# Altium PCB board_ordered.PcbDoc (part 2 of 2)
Units mm, origin at the board's own origin, x right, y up, seen from the top; angles counter-clockwise.
Board outline 57 x 77.5 mm, 4 copper layers (Top Layer, Mid Layer 1, Mid Layer 2, Bottom Layer), stack 1.57 mm thick; 165 components, 142 nets, 711 pads, 299 vias.
Unrouted connection lines stored in the file: 1.
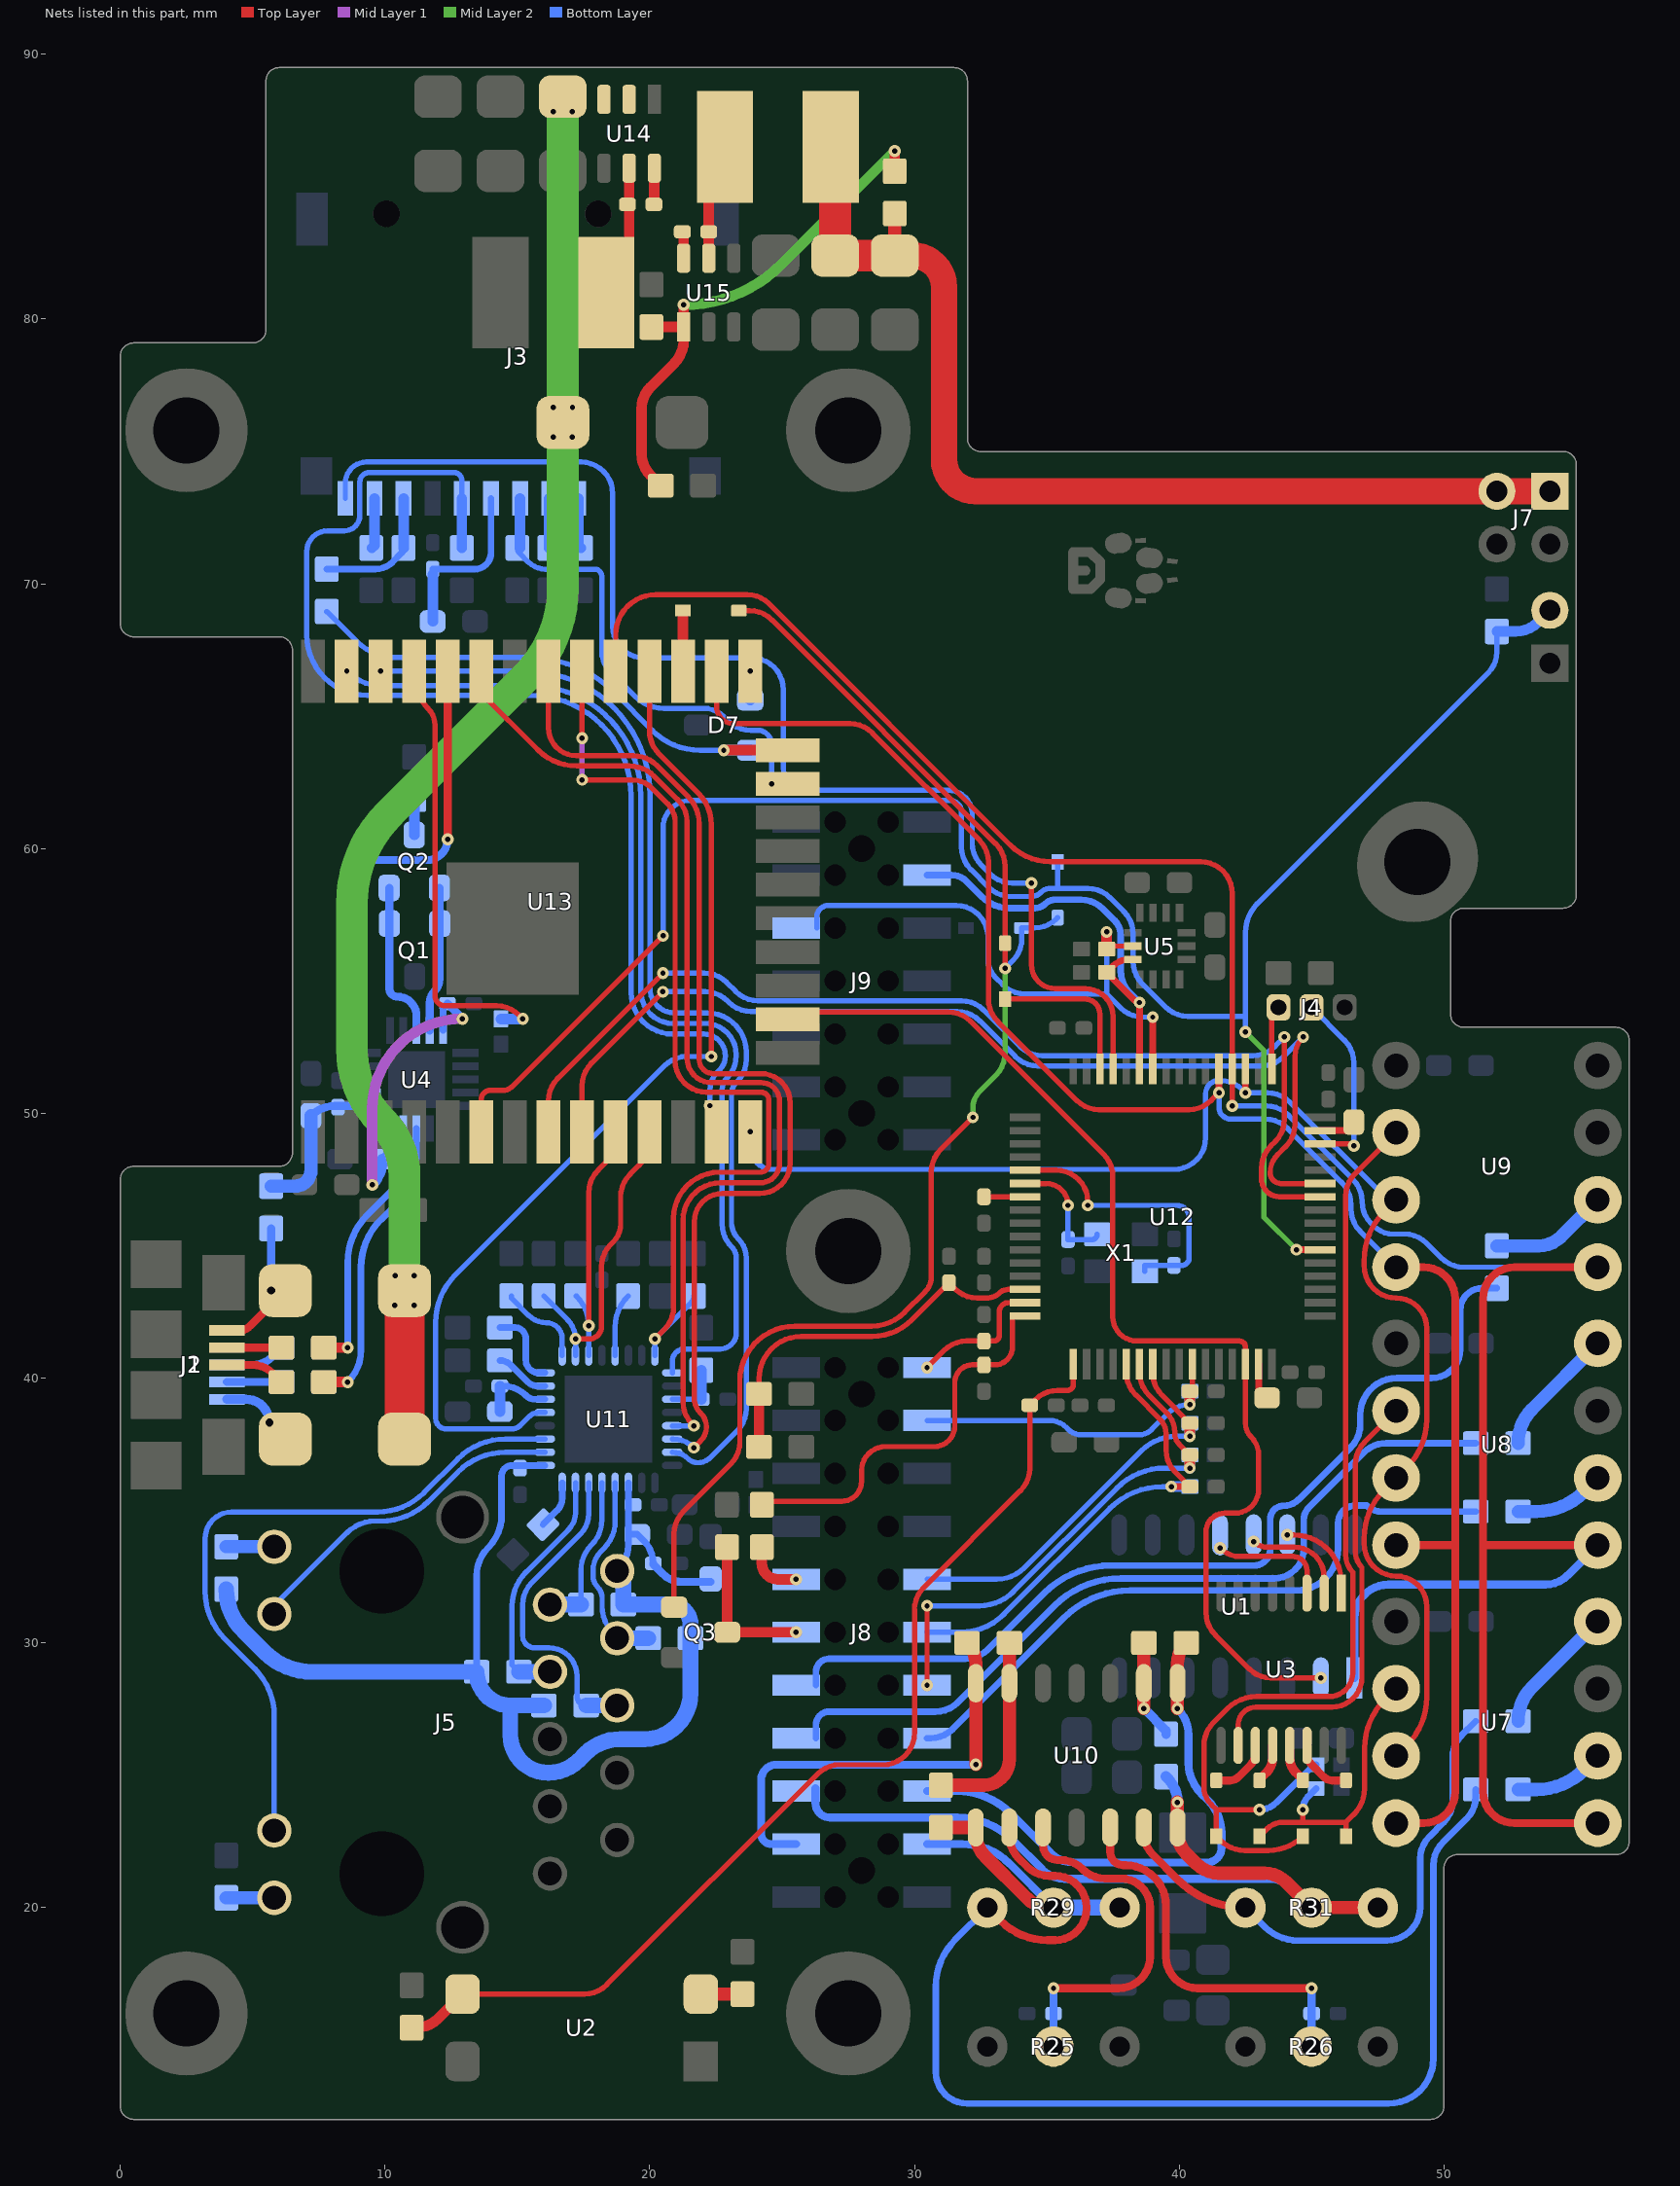
[diagram p4: the nets of this part, all layers, seen from the top]

## Via types
v1: diameter 0.45, hole 0.2, Top Layer to Bottom Layer, tented both sides, 205 vias
v2: diameter 0.6, hole 0.3, Top Layer to Bottom Layer, tented both sides, 94 vias

## Nets (pads, with @x,y where several pads share a name; then routed paths per layer and width w, separated by ;. In a path a pad name is that pad's centre, name@x,y a point inside that pad or via, vN(x,y) a via of type N, cw(c..) or ccw(c..) an arc to the next point about the centre after c; other vN are vias at no path point) (continued)
LP_COUNT: U1.2 U12.30 U13.16 | length 43.3
  Top Layer w0.2: U13.16@25.215,53.555 25.215,53.825 31.275,53.825 cw(c31.275,52.631) 32.118,53.476 ; 32.119,53.475 37.141,48.454 ; 37.142,48.453 cw(c36.297,47.609) 37.49,47.609 37.49,42.316 ccw(c38.405,42.316) 38.405,41.402 42.27,41.402 cw(c42.27,41.173) 42.499,41.173 U12.30@42.499,40.525 ; 41.358,30.304 42.661,29.002 ccw(c43.445,29.786) 43.445,28.677 v1(45.35,28.677) ; 41.358,30.305 cw(c42.203,31.148) 41.009,31.148 41.009,34.188 cw(c41.721,34.188) 41.721,34.9 42.1,34.9 ccw(c42.1,35.8) 43,35.8 43,37.076 ccw(c41.976,37.076) 42.7,37.8 cw(c43.184,38.284) 42.5,38.284 U12.30@42.499,40.525
LP_DAT: U7.4 U8.4 U9.4 U12.53 U13.26 | length 68.2
  Top Layer w0.2: U13.26@22.525,66.7 22.525,65.37 ccw(c23.176,65.37) 23.176,64.719 27.56,64.719 cw(c27.56,63.525) 28.404,64.37 ; 28.405,64.369 32.441,60.333 ; 32.442,60.332 cw(c31.597,59.489) 32.791,59.489 32.791,54.318 ccw(c33.984,54.318) 33.139,53.475 36.123,50.491 ; 36.124,50.49 ccw(c36.967,51.335) 36.967,50.141 40.367,50.141 ccw(c40.367,51.335) 41.211,50.49 ; 41.211,50.491 v1(41.5,50.779)
  Top Layer w0.25: v1(41.5,50.779) U12.53@41.5,51.675
  Top Layer w0.3: U7.4@48.19,23.19 49.232,23.19 ccw(c49.232,24.384) 50.426,24.384 50.426,33.69 50.421,33.69 ; U8.4@48.19,33.69 50.421,33.69 ; U9.4@48.19,44.19 49.227,44.19 cw(c49.227,42.996) 50.421,42.996 50.421,33.69
  Bottom Layer w0.2: v1(41.5,50.779) 41.5,50.234 ccw(c41.949,50.234) 41.949,49.784 43.247,49.784 cw(c43.247,48.59) 44.09,49.435 ; 44.091,49.434 46.135,47.391 ; 46.135,47.39 cw(c45.29,46.547) 46.484,46.547 46.484,46.39 ccw(c47.678,46.39) 46.833,45.547 ; 46.834,45.546 U9.4@48.19,44.19
LP_LDAC: U1.1 U7.5 U8.5 U9.5 U12.52 U13.29 | length 100.6
  Top Layer w0.2: U13.29@18.715,66.7 18.715,68.074 cw(c20.237,68.074) 20.237,69.596 23.661,69.596 cw(c23.661,68.402) 24.504,69.247 ; 24.505,69.246 33.625,60.126 ccw(c35.131,61.632) 35.131,59.503 40.805,59.503 cw(c40.805,58.309) 41.999,58.309 U12.52@41.999,51.675 v1(41.999,50.28)
  Top Layer w0.3: U7.5@55.81,23.19 52.668,23.19 cw(c52.668,24.384) 51.474,24.384 51.474,33.69 ; U8.5@55.81,33.69 51.474,33.69 ; U9.5@55.81,44.19 52.668,44.19 ccw(c52.668,42.996) 51.474,42.996 51.474,33.69
  Bottom Layer w0.2: v1(41.999,50.28) 43.289,50.28 cw(c43.289,49.086) 44.132,49.931 ; 44.133,49.93 46.562,47.501 cw(c45.731,46.67) 46.907,46.67 ccw(c48.082,46.67) 47.251,45.839 47.334,45.755 ccw(c48.093,46.514) 48.093,45.441 48.502,45.441 cw(c48.502,44.247) 49.345,45.092 ; 49.346,45.091 49.898,44.54 ; 49.898,44.539 ccw(c50.742,45.384) 50.742,44.19 U9.5@55.81,44.19
  Bottom Layer w0.3: U1.1@46.62,28.677 46.62,30.92 cw(c47.9,30.92) 47.9,32.2 53.826,32.2 ccw(c53.826,33.394) 54.67,32.55 U8.5@55.81,33.69
LP_SCK: U7.3 U8.3 U9.3 U12.51 U13.14 | length 56.5
  Top Layer w0.2: U7.3@48.19,25.73 48.607,26.147 ccw(c46.811,27.943) 49.351,27.943 49.351,31.372 ccw(c48.201,31.372) 48.201,32.521 cw(c48.201,33.732) 46.99,33.732 46.99,33.978 cw(c49.53,33.978) 47.734,35.774 U8.3@48.19,36.23 48.607,36.647 ccw(c46.811,38.443) 49.351,38.443 49.351,41.872 ccw(c48.201,41.872) 48.201,43.021 cw(c48.201,44.232) 46.99,44.232 46.99,44.478 cw(c49.53,44.478) 47.734,46.274 U9.3@48.19,46.73 U9.3@48.607,47.147
  Top Layer w0.25: v1(42.5,50.779) U12.51@42.499,51.675
  Bottom Layer w0.2: v1(23.795,49.3) 23.795,48.743 ccw(c24.654,48.743) 24.654,47.883 39.802,47.883 ccw(c39.802,49.077) 40.996,49.077 40.996,50.739 cw(c41.5,50.739) 41.5,51.243 41.542,51.243 cw(c41.542,50.049) 42.385,50.894 v1(42.5,50.779) 43.326,50.779 cw(c43.326,49.585) 44.171,50.429 47.644,46.956 ccw(c48.19,47.503) U9.3@48.19,46.73
LSR_EN: J8.12 Q3.3 R62.1 | length 5.8
  Top Layer w0.4: R62.1@22.919,33.615 Q3.3@22.919,30.4 v1(25.525,30.4)
MDC: U11.17 U13.37 | length 40.2
  Bottom Layer w0.2: v1@8.555,66.699 ccw(c9.883,68.028) 9.883,66.15 15.505,66.15 cw(c15.505,61.995) 19.661,61.995 19.661,54.624 ccw(c20.889,54.624) 20.889,53.395 22.085,53.395 cw(c22.085,52.214) 23.266,52.214 23.266,52.183 cw(c22.072,52.183) 22.917,51.339 22.911,51.333 ccw(c23.34,50.904) 22.733,50.904 22.733,45.812 ccw(c23.927,45.812) 22.908,45.189 ccw(c23.927,45.812) 23.083,44.968 23.091,44.959 cw(c22.668,44.536) 23.266,44.536 23.266,41.707 cw(c22.657,41.707) 22.657,41.097 21.311,41.097 ccw(c21.311,40.637) 20.85,40.637 U11.17@20.85,40.2
  other v1: 8.555,66.7
MDIO: R45.1 U11.16 U13.30 | length 36.6
  Top Layer w0.2: v1(17.445,62.597) 19.309,62.597 cw(c19.309,61.474) 20.102,62.269 20.671,61.7 cw(c19.983,61.011) 20.956,61.011 20.956,51.994 ccw(c22.15,51.994) 22.15,50.8 24.2,50.8 cw(c24.2,50.5) 24.5,50.5 24.5,48.112 cw(c24.163,48.112) 24.163,47.774 22.632,47.774 ccw(c22.632,46.043) 20.9,46.043 20.9,42.683 cw(c19.706,42.683) 20.551,41.839 ; v1(17.445,64.174) U13.30@17.445,66.7 ; v1(20.192,41.481) 20.55,41.839
  Mid Layer 1 w0.2: v1(17.445,62.597) v1(17.445,64.174)
  Bottom Layer w0.2: U11.16@20.192,40.858 v1(20.192,41.481) 21.56,42.848 ccw(c21.307,43.102) R45.1@21.665,43.102
NetC4_2: C4.2 C6.2 R13.2 U4.11 U4.12 | length 6.6
  Bottom Layer w0.3: C6.2@7.202,49.907 cw(c8.107,49.002) 8.107,50.282 U4.11@9.338,50.282 ; U4.11@8.987,50.282 U4.12@8.987,50.782
  Bottom Layer w0.5: R13.2@5.7,47.25 6.601,47.25 ccw(c6.601,47.851) 7.202,47.851 C6.2@7.202,49.907
NetC10_2: C10.2 C15.2 U4.10 U4.20 | length 12.5
  Mid Layer 1 w0.4: v1(9.515,47.3) 9.515,50.161 cw(c12.926,50.161) v1(12.926,53.572)
  Bottom Layer w0.25: U4.20@12.188,53.132 12.188,53.976 C15.2@12.355,54.143
  Bottom Layer w0.3: C10.2@9.896,48.269 10.188,48.56 U4.10@10.188,49.432 ; C15.2@12.355,54.143 v1(12.926,53.572)
  Bottom Layer w0.4: v1(9.515,47.3) ccw(c8.596,48.22) 9.896,48.22 C10.2@9.896,48.269
NetC20_2: C20.2 J3.4 L1.2 | length 6.4
  Bottom Layer w0.25: C20.2@11.801,70.554 13.387,70.554 ccw(c13.387,71.167) 14.001,71.167 J3.4@14.001,73.224
  Bottom Layer w0.4: L1.2@11.801,68.58 C20.2@11.801,70.354
NetC23_2: C23.2 R25.2 U10.3 | length 14.2
  Top Layer w0.3: U10.3@34.854,23.025 34.854,22.346 ccw(c35.4,22.346) 34.983,21.994 ccw(c35.4,22.346) 35.4,21.8 35.506,21.8 cw(c35.506,20.606) 36.35,21.45 ; v1(35.25,16.955) 37.706,16.955 ccw(c37.706,18.149) 38.9,18.149 38.9,20 ccw(c37.8,20) 37.8,21.1 37.194,21.1 cw(c37.194,22.294) 36.351,21.449
  Bottom Layer w0.3: R25.2@35.25,14.75 C23.2@35.25,16 v1(35.25,16.955)
NetC24_2: C24.2 R26.2 U10.5 | length 14.5
  Top Layer w0.3: U10.5@37.394,23.025 37.394,22.106 ccw(c37.9,22.106) 37.9,21.6 37.972,21.6 cw(c37.972,20.072) 39.5,20.072 39.5,18.149 ccw(c40.694,18.149) 40.694,16.955 42.827,16.955 v1(45,16.955)
  Bottom Layer w0.3: R26.2@45,14.75 C24.2@45,16 v1(45,16.955)
NetC25_2: C25.2 U12.5 X1.1 | length 10.9
  Top Layer w0.2: U12.5@34.174,47.85 35.355,47.85 cw(c35.355,46.656) 36.549,46.656 v1(36.549,46.525)
  Bottom Layer w0.2: v1(36.549,46.525) 39.9,46.525 cw(c39.9,46.05) 40.375,46.05 40.375,44.546 cw(c40.088,44.546) 40.088,44.259 C25.2@39.8,44.259 38.7,44.259 X1.1@38.7,44.034
NetC26_2: C26.2 U12.6 X1.3 | length 4.6
  Top Layer w0.2: U12.6@34.174,47.35 34.974,47.35 cw(c34.974,46.525) v1(35.799,46.525)
  Bottom Layer w0.2: v1(35.799,46.525) 35.8,46.525 C26.2@35.8,45.234 36.7,45.234 ccw(c36.7,45.434) X1.3@36.9,45.434
NetC27_2: C27.2 U12.7 | length 1.5
  Top Layer w0.2: C27.2@32.624,46.85 U12.7@34.174,46.85
NetC37_2: C37.2 R52.2 U11.19 | length 2.2
  Bottom Layer w0.2: U11.19@20.85,39.2 C37.2@21.946,39.2
  Bottom Layer w0.4: C37.2@21.946,39.2 R52.2@21.946,40.3
NetC38_2: C38.2 U12.47 | length 1.6
  Top Layer w0.25: U12.47@45.325,49.35 46.593,49.35 C38.2@46.593,49.667
NetC40_2: C40.2 C43.2 U11.6 | length 2.8
  Bottom Layer w0.25: C43.2@14.338,39.7 14.458,39.7 cw(c14.458,38.486) 15.316,39.345 ccw(c15.665,39.694) 15.665,39.2 U11.6@16.035,39.2
  Bottom Layer w0.4: C40.2@14.338,38.735 C43.2@14.338,39.7
NetC41_2: C41.2 U12.31 | length 1.6
  Top Layer w0.25: U12.31@42.999,40.525 43,39.256 C41.2@43.317,39.256
NetC49_1: C49.1 L3.1 U14.5 | length 5.1
  Top Layer w0.4: L3.1@18.358,81 19.221,81.864 U14.5@19.221,85.7
NetC49_2: C49.2 U14.6 | length 1.4
  Top Layer w0.4: C49.2@20.171,84.332 U14.6@20.171,85.7
NetC50_1: C50.1 L4.1 U15.5 | length 4.5
  Top Layer w0.4: U15.5@22.228,82.3 C50.1@22.228,83.298 22.228,85.886 L4.1@22.841,86.5
NetC50_2: C50.2 U15.6 | length 1
  Top Layer w0.4: U15.6@21.278,82.3 C50.2@21.278,83.298
NetD1_1: D1.1 J1.1 R13.1 | length 5.2
  Top Layer w0.3: J1.1@4.025,41.8 4.499,41.8 ccw(c4.499,42.364) 4.897,41.965 D1.1@6.238,43.305
  Bottom Layer w0.3: v2(5.7,43.305) R13.1@5.7,45.65
NetD2_1: D2.1 J2.1 | length 2.1
  Bottom Layer w0.35: J2.1@4.025,39.2 4.749,39.2 cw(c4.749,38.318) v2(5.631,38.318)
NetD3_1: D3.1 D5.1 R23.2 U7.2 | length 11.1
  Top Layer w0.2: D5.1@43.033,22.695 43.298,22.96 cw(c43.937,22.321) 43.937,23.224 44.667,23.224 ; v1(44.667,23.7) 44.667,23.224 ; D3.1@46.3,22.695 46.3,23.224 ; U7.2@48.19,28.27 47.744,27.824 ccw(c49.54,26.028) 47,26.028 47,24.5 cw(c45.61,24.5) 46.593,23.517 46.3,23.224 ; 44.667,23.224 46.3,23.224
  Bottom Layer w0.25: v1(44.667,23.7) cw(c45.376,23.7) 44.874,24.201 R23.2@45.173,24.5
NetD3_2: D3.2 U3.14 | length 2.3
  Top Layer w0.3: U3.14@44.825,26.125 44.825,25.822 ccw(c45.422,25.822) 45,25.4 45.459,24.941 ccw(c45.8,25.283) 45.8,24.8 46.295,24.8 D3.2@46.3,24.805
NetD4_1: D4.1 D6.1 R24.2 U9.2 | length 39.9
  Top Layer w0.2: v1(43.033,23.7) 41.4,23.7 ; D4.1@44.667,22.695 cw(c43.368,23.994) 43.368,22.157 42.474,22.157 cw(c42.474,23.451) 41.559,22.536 D6.1@41.4,22.695 41.4,23.7 ; 46.554,32.67 cw(c47.206,33.321) 46.284,33.321 46.284,46.87 cw(c47.478,46.87) 46.634,47.714 U9.2@48.19,49.27 ; 46.554,32.67 46.554,28.872 cw(c45.653,28.872) 45.653,27.97 42.928,27.97 ccw(c42.928,26.382) 41.805,27.505 41.3,27 ccw(c42.193,26.107) 40.93,26.107 40.93,24.558 ccw(c41.868,24.558) 41.205,23.895 41.4,23.7
  Bottom Layer w0.25: v1(43.033,23.7) ccw(c43.033,24.585) 43.659,23.959 45.049,25.349 cw(c45.173,25.224) R24.2@45.173,25.4
NetD4_2: D4.2 U3.13 | length 1.5
  Top Layer w0.35: U3.13@44.175,26.125 44.175,25.644 ccw(c44.922,25.644) 44.394,25.116 44.64,24.87 cw(c44.575,24.805) D4.2@44.667,24.805
NetD5_2: D5.2 U3.12 | length 1.5
  Top Layer w0.35: D5.2@43.033,24.805 cw(c43.125,24.805) 43.06,24.87 43.306,25.116 ccw(c42.778,25.644) 43.525,25.644 U3.12@43.525,26.125
NetD6_2: D6.2 U3.11 | length 2.3
  Top Layer w0.3: D6.2@41.4,24.805 41.405,24.8 41.9,24.8 ccw(c41.9,25.283) 42.241,24.941 42.7,25.4 ccw(c42.278,25.822) 42.875,25.822 U3.11@42.875,26.125
NetD7_1: D7.1 U13.25 | length 1.1
  Bottom Layer w0.4: D7.1@23.795,65.615 v1(23.795,66.7)
NetD8_2: D8.2 D9.2 D10.2 D11.2 Q3.1 | length 52.7
  Top Layer w0.2: Q3.1@20.919,31.35 20.919,34.119 cw(c22.112,34.119) 21.267,34.962 ; 21.268,34.963 23.05,36.746 ; 23.051,36.747 ccw(c22.206,37.59) 23.4,37.59 23.4,39.883 cw(c25.48,39.883) 25.48,41.963 28.377,41.963 ccw(c28.377,43.718) 29.618,42.477 30.394,43.253 ccw(c29.815,43.835) 30.636,43.835 30.636,47.787 cw(c31.829,47.787) 30.984,48.63 ; D9.2@23.365,68.992 23.765,68.992 cw(c23.765,67.798) 24.608,68.643 ; 24.609,68.642 33.07,60.181 ; 30.985,48.631 v1(32.204,49.85) ; 33.071,60.18 cw(c32.226,59.337) 33.42,59.337 v1(33.42,55.476)
  Mid Layer 2 w0.2: v1(32.204,49.85) 32.204,50.209 cw(c33.071,50.209) 32.458,50.822 33.07,51.435 ; 33.071,51.435 ccw(c32.226,52.279) 33.42,52.279 v1(33.42,55.476)
  Bottom Layer w0.2: v1(33.42,55.476) 33.705,55.761 ccw(c32.861,56.605) 34.055,56.605 D8.2@34.055,57 34.519,57 ccw(c34.519,58.194) 35.363,57.35 D11.2@35.406,57.393
NetD9_1: D9.1 U13.27 | length 2.3
  Top Layer w0.4: U13.27@21.255,66.7 D9.1@21.255,68.992
NetD10_1: D10.1 U12.62 | length 6
  Top Layer w0.2: D10.1@33.42,54.317 36.438,54.317 cw(c36.438,53.756) 36.999,53.756 U12.62@36.999,51.675
NetJ1_2: J1.2 R7.1 | length 2.1
  Top Layer w0.3: J1.2@4.025,41.15 R7.1@6.114,41.15
NetJ1_3: J1.3 R8.1 | length 2.3
  Top Layer w0.3: J1.3@4.025,40.5 4.995,40.5 cw(c4.995,39.433) 5.749,40.188 R8.1@6.114,39.823
NetJ2_2: J2.2 R9.1 | length 2.1
  Bottom Layer w0.3: J2.2@4.025,39.85 R9.1@6.114,39.85
NetJ2_3: J2.3 R10.1 | length 2.3
  Bottom Layer w0.3: J2.3@4.025,40.5 4.995,40.5 ccw(c4.995,41.567) 5.749,40.812 R10.1@6.114,41.177
NetJ3_1: J3.1 R11.1 | length 1.9
  Bottom Layer w0.4: J3.1@17.301,73.224 17.301,71.454 R11.1@17.401,71.354
NetJ3_2: J3.2 R6.1 | length 1.9
  Bottom Layer w0.4: R6.1@16.201,71.354 J3.2@16.201,73.224
NetJ3_7: J3.7 R15.1 R20.1 | length 5.1
  Bottom Layer w0.25: R20.1@7.8,70.554 9.637,70.554 ccw(c9.637,71.469) 10.284,70.822 R15.1@10.619,71.157 ; R15.1@10.619,71.157 ccw(c10.422,71.354) R15.1@10.701,71.354
  Bottom Layer w0.4: R15.1@10.701,71.354 J3.7@10.701,73.224
NetJ3_8: J3.8 R14.1 | length 1.9
  Bottom Layer w0.4: R14.1@9.501,71.354 9.601,71.454 J3.8@9.601,73.224
NetJ5_2: J5.2 R53.2 U11.29 | length 6
  Bottom Layer w0.2: R53.2@17.4,31.445 17.4,32.74 cw(c18.753,32.74) 17.796,33.696 ccw(c16.84,34.653) 18.192,34.653 U11.29@18.192,36.043
  Bottom Layer w0.6: J5.2@16.23,31.445 R53.2@17.4,31.445
NetJ5_3: J5.3 R54.2 U11.28 | length 7.5
  Bottom Layer w0.2: U11.28@18.692,36.043 18.692,34.585 cw(c17.263,34.585) 18.274,33.574 18.164,33.464 ccw(c18.908,32.719) 17.855,32.719 17.855,32.527 ccw(c18.444,32.527) 18.028,32.111 cw(c17.611,31.694) 18.2,31.694 18.2,31.4 ccw(c19.781,31.4) 18.663,30.282 J5.3@18.77,30.175
  Bottom Layer w0.6: J5.3@18.77,30.175 R54.2@19.94,30.175
NetJ5_4: J5.4 R55.2 U11.31 | length 9.3
  Bottom Layer w0.2: R55.2@15.06,28.905 14.8,29.165 14.8,31.398 cw(c16.602,31.398) 15.328,32.672 16.928,34.272 ; 16.928,34.272 ccw(c16.289,34.911) 17.193,34.911 U11.31@17.193,36.043
  Bottom Layer w0.6: R55.2@15.06,28.905 J5.4@16.23,28.905
NetJ5_5: J5.5 R57.2 U11.30 | length 12.1
  Bottom Layer w0.2: R57.2@17.6,27.635 cw(c17.6,27.985) 17.25,27.985 17.25,28.75 ccw(c16.186,28.75) 16.186,29.814 15.654,29.814 cw(c15.654,30.269) 15.2,30.269 15.2,31.451 cw(c16.349,31.451) 15.536,32.263 17.37,34.097 ccw(c16.59,34.876) 17.692,34.876 U11.30@17.692,36.043
  Bottom Layer w0.6: R57.2@17.6,27.635 J5.5@18.77,27.635
NetJ5_11: J5.11 R59.2 | length 1.8
  Bottom Layer w0.5: R59.2@4,33.629 J5.11@5.816,33.629
NetJ5_12: J5.12 U11.2 | length 12.6
  Bottom Layer w0.2: J5.12@5.816,31.089 cw(c6.604,31.089) 6.047,31.647 8.551,34.151 cw(c9.634,33.069) 9.634,34.6 9.848,34.6 ccw(c9.848,37.14) 11.644,35.344 12.756,36.456 cw(c14.552,34.66) 14.552,37.2 U11.2@16.035,37.2
NetJ5_13: J5.13 U11.3 | length 26.2
  Bottom Layer w0.2: J5.13@5.816,22.911 5.816,27.232 ccw(c3.276,27.232) 5.072,29.028 3.944,30.156 cw(c5.74,31.952) 3.2,31.952 3.2,33.926 cw(c4.217,33.926) 4.217,34.943 9.723,34.943 ccw(c9.723,37.405) 11.464,35.664 12.756,36.956 cw(c14.552,35.16) 14.552,37.7 U11.3@16.035,37.7
NetJ5_14: J5.14 R60.1 | length 1.8
  Bottom Layer w0.5: R60.1@4,20.371 J5.14@5.816,20.371
NetQ1_1: Q1.1 Q2.2 U4.18 | length 6
  Bottom Layer w0.3: Q2.2@10.166,58.514 Q1.1@10.166,57.168 10.166,54.706 ccw(c10.465,54.706) 10.465,54.407 cw(c10.465,53.684) 11.188,53.684 U4.18@11.188,53.132
NetQ1_2: Q1.2 Q2.1 U4.19 | length 5.5
  Bottom Layer w0.3: U4.19@11.687,53.132 11.687,54.178 cw(c12.31,54.178) 11.869,54.618 ; 11.87,54.619 ccw(c11.43,55.058) 12.052,55.058 Q2.1@12.052,58.514
NetQ2_3: Q2.3 R28.1 | length 1.3
  Bottom Layer w0.4: Q2.3@11.102,60.514 R28.1@11.102,61.862
NetR4_2: R4.2 U2.2 | length 1.6
  Top Layer w0.5: U2.2@21.928,16.732 R4.2@23.5,16.732
NetR7_2: R7.2 U4.9 | length 9.9
  Top Layer w0.4: R7.2@7.687,41.15 v1(8.59,41.15)
  Bottom Layer w0.25: v1(8.59,41.15) 8.59,44.367 cw(c11.13,44.367) 9.334,46.164 10.216,47.046 ccw(c9.079,48.184) 10.687,48.184 U4.9@10.687,49.432
NetR8_2: R8.2 U4.8 | length 11.3
  Top Layer w0.4: R8.2@7.687,39.85 v1(8.59,39.85)
  Bottom Layer w0.25: v1(8.59,39.85) ccw(c7.374,41.066) 9.093,41.066 9.093,44.185 cw(c11.633,44.185) 9.837,45.981 10.444,46.588 ccw(c8.648,48.384) 11.188,48.384 U4.8@11.188,49.432
NetR27_1: R27.1 R29.3 U10.2 | length 47.7
  Top Layer w0.3: R29.3@32.75,20 33.237,19.513 ccw(c35.033,21.309) 35.033,18.769 35.306,18.769 ccw(c35.306,19.963) 36.5,19.963 36.5,20.006 ccw(c35.306,20.006) 35.306,21.2 35.094,21.2 cw(c35.094,22.394) 34.25,21.55 33.934,21.866 cw(c34.778,22.71) 33.584,22.71 U10.2@33.584,23.025
  Bottom Layer w0.25: R29.3@32.75,20 31.544,18.794 ccw(c33.34,16.998) 30.8,16.998 30.8,13.8 ccw(c32,13.8) 32,12.6 47.9,12.6 ccw(c47.9,14.3) 49.6,14.3 49.6,21.606 cw(c50.794,21.606) 49.95,22.45 50.85,23.35 ccw(c50.006,24.194) 51.2,24.194 R27.1@51.2,24.46
NetR27_2: R27.2 U7.6 | length 3.4
  Bottom Layer w0.5: R27.2@52.8,24.46 53.488,24.46 ccw(c53.488,27) 55.284,25.204 U7.6@55.81,25.73
NetR30_1: R30.1 R31.3 U10.6 | length 20.8